# KiCad board SparkFun_IoT_RedBoard-RP2350_panelized.kicad_pcb (continued)
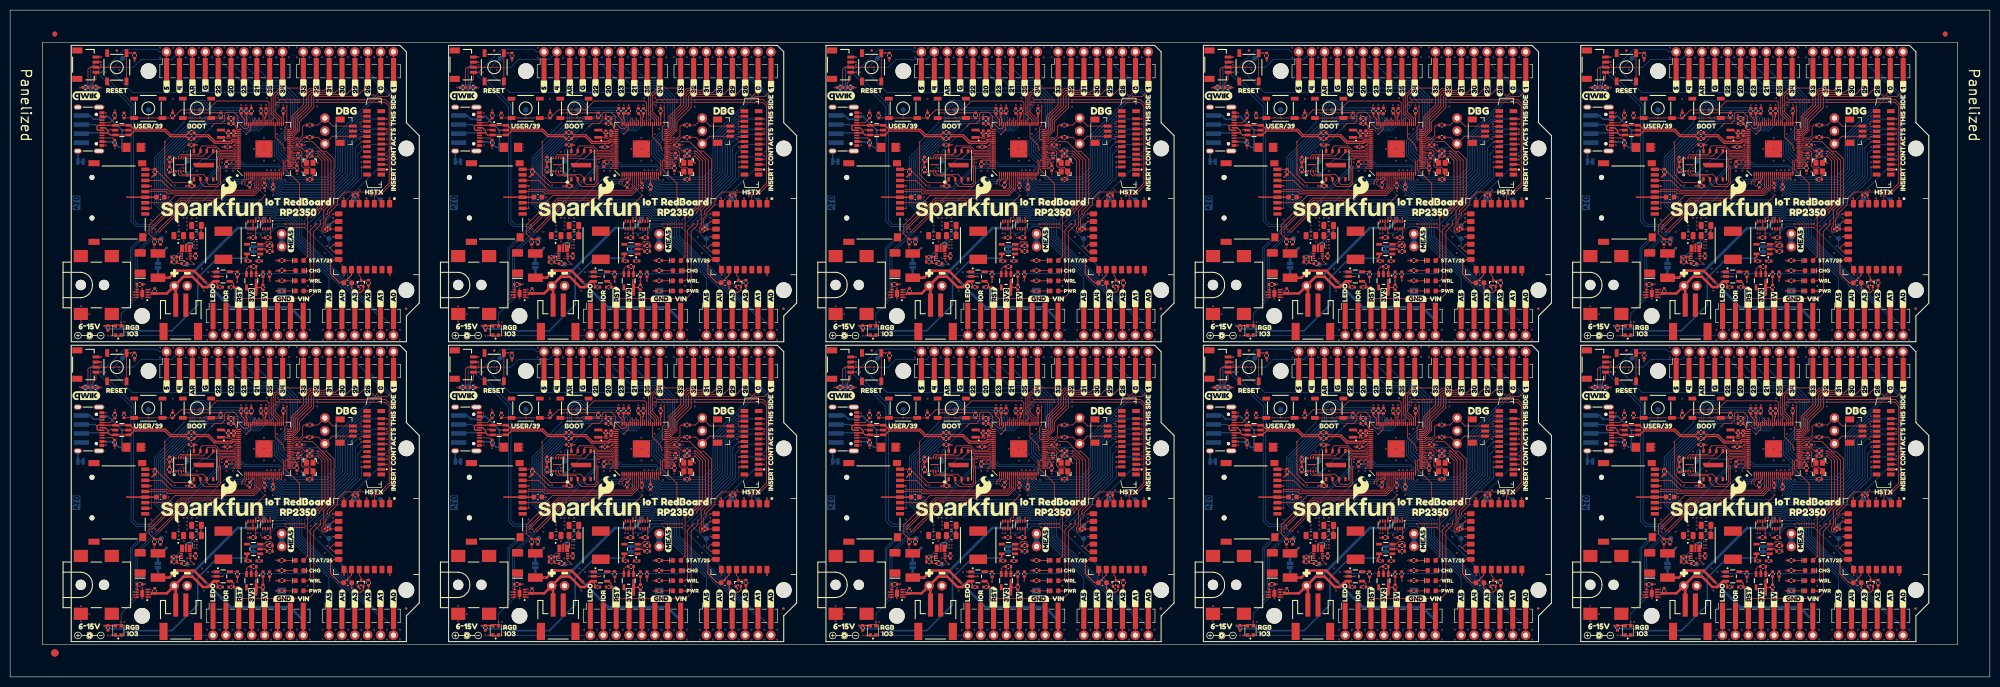
[diagram p0: board, top side]
## Library data of the parts (continued)
U9 = -: Datasheet: http://ww1.microchip.com/downloads/en/DeviceDoc/20001984g.pdf; Description: Single cell, Li-Ion/Li-Po charge management controller, 4.50V, Tri-State Status Output, in SOT23-5 package; PROD_ID: IC-09995; ki_fp_filters: SOT?23*
U9#2-U9#10 = -: Datasheet: http://ww1.microchip.com/downloads/en/DeviceDoc/20001984g.pdf; Description: Single cell, Li-Ion/Li-Po charge management controller, 4.50V, Tri-State Status Output, in SOT23-5 package; PROD_ID: IC-09995
U10 U11 = -: Datasheet: https://www.richtek.com/SaveDownload.aspx?specid=RT9080; Description: 600mA low dropout linear regulator, with enable pin, 3.8V-6V input voltage range, 3.3V fixed positive output, SOT-23-5; PROD_ID: VREG-19034; VMax: 5.5V; IMax: 600mA; Iq: 4µA; ki_fp_filters: SOT?23?5*
U10#2-U10#10 U11#2-U11#10 = -: Datasheet: https://www.richtek.com/SaveDownload.aspx?specid=RT9080; Description: 600mA low dropout linear regulator, with enable pin, 3.8V-6V input voltage range, 3.3V fixed positive output, SOT-23-5; PROD_ID: VREG-19034; VMax: 5.5V; IMax: 600mA; Iq: 4µA
Y1 = -: Datasheet: https://ecsxtal.com/store/pdf/ECX-2236B.pdf; Description: Crystal; PROD_ID: XTAL-15540; ki_fp_filters: Crystal*
Y1#2-Y1#10 = -: Datasheet: https://ecsxtal.com/store/pdf/ECX-2236B.pdf; Description: Crystal; PROD_ID: XTAL-15540

## Footprints (pads in the part's own frame, mm; a bottom-side part is the same pattern mirrored in y, then rotated)
1x02
  round 1.88 hole 1.016: 1(0,0) 2(2.54,0)
1x03
  round 1.88 hole 1.016: 1(0,0) 2(2.54,0) 3(5.08,0)
1x04_Solder_Pads
  rect 3x0.9 smd: 1(0,2.667) 2(0,0.889) 3(0,-0.889) 4(0,-2.667)
1x06_SMD_Combined
  rect 5.2x1 smd: 1(0,6.35) 2(0,3.81) 3(0,1.27) 4(0,-1.27) 5(0,-3.81) 6(0,-6.35)
1x08_SMD_Combined
  rect 5.2x1 smd: 1(0,8.89) 2(0,6.35) 3(0,3.81) 4(0,1.27) 5(0,-1.27) 6(0,-3.81) 7(0,-6.35) 8(0,-8.89)
1x10_SMD_Combined
  rect 5.2x1 smd: 1(0,11.43) 2(0,8.89) 3(0,6.35) 4(0,3.81) 5(0,1.27) 6(0,-1.27) 7(0,-3.81) 8(0,-6.35) 9(0,-8.89) 10(0,-11.43)
0806_Polarized
  rect 0.55x1.6 smd: 1(-0.725,0) 2(0.725,0)
1206
  rect 1.6x1.8 smd: 1(-1.4,0) 2(1.4,0)
1812
  rect 1.676x2.896 smd: 1(-2.388,0) 2(2.388,0)
C_0402_1005Metric
  rrect 0.56x0.62 smd: 1(-0.48,0) 2(0.48,0)
C_0603_1608Metric
  rrect 0.9x0.95 smd: 1(-0.775,0) 2(0.775,0)
C_0805_2012Metric
  rrect 1x1.45 smd: 1(-0.95,0) 2(0.95,0)
Crystal_SMD_2.5x2.0mm
  rect 1.2x1 smd: 1(-0.85,-0.65) 2(0.85,-0.65) 3(0.85,0.65) 4(-0.85,0.65)
DFN-8
  rect 0.7x0.3 smd: 1(-0.99,0.75) 2(-0.99,0.25) 3(-0.99,-0.25) 4(-0.99,-0.75) 5(0.99,-0.75) 6(0.99,-0.25) 7(0.99,0.25) 8(0.99,0.75)
  rect 0.8x1.38 smd: 9(0,0)
Fiducial_0.5mm_Mask1mm
  round 0.5 smd: (0,0)
Fiducial_1.5mm_Mask3mm
  round 1.5 smd: (0,0)
Fiducial_1mm_Mask3mm
  round 1 smd: (0,0)
FPC_0.5mm-22_Vertical
  rect 0.6x1.5 smd: 1(-5.25,-1.4) 2(-4.75,1.4) 3(-4.25,-1.4) 4(-3.75,1.4) 5(-3.25,-1.4) 6(-2.75,1.4) 7(-2.25,-1.4) 8(-1.75,1.4) 9(-1.25,-1.4) 10(-0.75,1.4) 11(-0.25,-1.4) 12(0.25,1.4) 13(0.75,-1.4) 14(1.25,1.4) 15(1.75,-1.4) 16(2.25,1.4) 17(2.75,-1.4) 18(3.25,1.4) 19(3.75,-1.4) 20(4.25,1.4) 21(4.75,-1.4) 22(5.25,1.4)
  rect 0.8x1.5 smd: NC(-6.25,1.4) NC(-6.25,-1.4) NC(6.25,1.4) NC(6.25,-1.4)
Inductor_7.3x6.6mm
  rect 1.85x3.5 smd: 1(-2.775,0) 2(2.775,0)
JST_SMD_1.0mm-3_Vertical
  rect 0.6x1.55 smd: 1(-1,-3.425) 2(0,-3.425) 3(1,-3.425)
  rect 1.2x1.8 smd: NC1(-2.3,-0.9) NC2(2.3,-0.9)
JST_SMD_1.0mm-4_RA
  rect 0.6x1.35 smd: 1(-1.5,0) 2(-0.5,0) 3(0.5,0) 4(1.5,0)
  rect 1.2x2 smd: NC1(2.8,-3.675) NC2(-2.8,-3.675)
JST_SMD_2.0mm-2
  rect 1x4.6 smd: 1(-1,-3.7) 2(1,-3.7)
  rect 1.6x3.4 smd: NC1(-3.4,1.5) NC2(3.4,1.5)
Jumper_2_NC_Trace
  rect 0.66x1.27 smd: 1(-0.521,0) 2(0.521,0)
Jumper_2_NO
  rect 0.635x1.27 smd: 1(-0.406,0) 2(0.406,0)
Jumper_2_PTH_SMD_Combo-NC
  round 1.88 hole 1.016: 1(-1.27,0) 2(1.27,0)
  rect 0.635x1.27 smd: 1(-0.508,0) 2(0.508,0)
Jumper_3_NC-2_Trace
  rect 0.66x1.27 smd: 1(-1.041,0) 2(0,0) 3(1.041,0)
LED_0603_1608Metric_Blue
  rrect 0.875x0.95 smd: 1(-0.787,0) 2(0.787,0)
LED_0603_1608Metric_Red
  rrect 0.875x0.95 smd: 1(-0.787,0) 2(0.787,0)
LED_0603_1608Metric_Yellow
  rrect 0.875x0.95 smd: 1(-0.787,0) 2(0.787,0)
microSD_External_Pin
  round 1 hole 1 unplated: (-4.95,0) (3.05,0)
  rect 0.7x1.6 smd: 1(2.25,10.5) 2(1.15,10.5) 3(0.05,10.5) 4(-1.05,10.5) 5(-2.15,10.5) 6(-3.25,10.5) 7(-4.35,10.5) 8(-5.45,10.5) 9(-6.55,10.5)
  rect 1.2x1.6 smd: 10(-7.75,9.9)
  rect 1.2x2.2 smd: 11(-7.75,0.4) 12(7.75,0.4)
  rect 1.6x1.4 smd: 13(6.85,10)
Power_Jack_SMD
  round 2.032 hole 2.032 unplated: (0,0) (4.572,0)
  rect 2.8x2.4 smd: GND(0,-5.7) GNDBREAK(6.1,-5.7) PWR(0,5.7) PWR(6.1,5.7)
PowerVFDFN-13
  rect 0.8x1.5 smd: 1(-0.75,0.675) 8(0.75,0.675)
  rect 0.6x0.3 smd: 2(-0.85,-0.375) 3(-0.85,-0.825) 4(-0.85,-1.275) 5(0.85,-1.275) 6(0.85,-0.825) 7(0.85,-0.375)
  rect 0.4x1.73 smd: 9(0,0.79)
Push_SMD_5.2x5.2mm_h2.5mm
  rect 1.524x0.762 smd: 1(-2.794,1.905) 1(2.794,1.905) 2(-2.794,-1.905) 2(2.794,-1.905)
QFN-80-1EP_10x10mm_P0.4mm_EP3.4x3.4mm
  rrect 0.78x0.22 smd: 1(-4.896,3.8) 2(-4.896,3.4) 3(-4.896,3) 4(-4.896,2.6) 5(-4.896,2.2) 6(-4.896,1.8) 7(-4.896,1.4) 8(-4.896,1) 9(-4.896,0.6) 10(-4.896,0.2) 11(-4.896,-0.2) 12(-4.896,-0.6) 13(-4.896,-1) 14(-4.896,-1.4) 15(-4.896,-1.8) 16(-4.896,-2.2) 17(-4.896,-2.6) 18(-4.896,-3) 19(-4.896,-3.4) 20(-4.896,-3.8) 41(4.896,-3.8) 42(4.896,-3.4) 43(4.896,-3) 44(4.896,-2.6) 45(4.896,-2.2) 46(4.896,-1.8) 47(4.896,-1.4) 48(4.896,-1) 49(4.896,-0.6) 50(4.896,-0.2) 51(4.896,0.2) 52(4.896,0.6) 53(4.896,1) 54(4.896,1.4) 55(4.896,1.8) 56(4.896,2.2) 57(4.896,2.6) 58(4.896,3) 59(4.896,3.4) 60(4.896,3.8)
  rrect 0.22x0.78 smd: 21(-3.8,-4.896) 22(-3.4,-4.896) 23(-3,-4.896) 24(-2.6,-4.896) 25(-2.2,-4.896) 26(-1.8,-4.896) 27(-1.4,-4.896) 28(-1,-4.896) 29(-0.6,-4.896) 30(-0.2,-4.896) 31(0.2,-4.896) 32(0.6,-4.896) 33(1,-4.896) 34(1.4,-4.896) 35(1.8,-4.896) 36(2.2,-4.896) 37(2.6,-4.896) 38(3,-4.896) 39(3.4,-4.896) 40(3.8,-4.896) 61(3.8,4.896) 62(3.4,4.896) 63(3,4.896) 64(2.6,4.896) 65(2.2,4.896) 66(1.8,4.896) 67(1.4,4.896) 68(1,4.896) 69(0.6,4.896) 70(0.2,4.896) 71(-0.2,4.896) 72(-0.6,4.896) 73(-1,4.896) 74(-1.4,4.896) 75(-1.8,4.896) 76(-2.2,4.896) 77(-2.6,4.896) 78(-3,4.896) 79(-3.4,4.896) 80(-3.8,4.896)
  rect 3.4x3.4 smd: EP(0,0)
R_0402_1005Metric
  rrect 0.54x0.64 smd: 1(-0.51,0) 2(0.51,0)
RedBoard
  round 1.88 hole 1.016: 3.3V(1.27,-27.94) 5V(3.81,-27.94) A0(29.21,-27.94) A1(26.67,-27.94) A2(24.13,-27.94) A3(21.59,-27.94) A4(19.05,-27.94) A5(16.51,-27.94) AREF(-10.414,27.94) D0(29.21,27.94) D1(26.67,27.94) D2(24.13,27.94) D3(21.59,27.94) D4(19.05,27.94) D5(16.51,27.94) D6(13.97,27.94) D7(11.43,27.94) D8(7.366,27.94) D9(4.826,27.94) D10(2.286,27.94) D11(-0.254,27.94) D12(-2.794,27.94) D13(-5.334,27.94) D18(-12.954,27.94) D19(-15.494,27.94) GND(-7.874,27.94) GND(6.35,-27.94) GND(8.89,-27.94) IOREF(-3.81,-27.94) NC/LEDO(-6.35,-27.94) VIN(11.43,-27.94) ~{RESET}(-1.27,-27.94)
RM2_Tight
  rrect 1.5x1 smd: A1(-6.5,2.55) A2(-6.5,1.05) A3(-6.5,-0.45) A4(-6.5,-1.95) A5(-6.5,-3.45) A6(-6.5,-4.95) A7(-6.5,-6.45) C1(6.5,-6.45) C2(6.5,-4.95) C3(6.5,-3.45) C4(6.5,-1.95) C5(6.5,-0.45) C6(6.5,1.05) C7(6.5,2.55)
  rrect 1x1.5 smd: B1(-4.5,-7.5) B2(-3,-7.5) B3(-1.5,-7.5) B4(0,-7.5) B5(1.5,-7.5) B6(3,-7.5) B7(4.5,-7.5)
SC-89 SOT-490
  rect 0.46x0.65 smd: 1(-0.5,-1.1) 2(0.5,-1.1) 3(0,0.05)
SMA
  rrect 1.5x2.2 smd: A(2,0) C(-2,0)
SOT23-5
  rect 1.2x0.55 smd: 1(-1.3,0.95) 2(-1.3,0) 3(-1.3,-0.95) 4(1.3,-0.95) 5(1.3,0.95)
SOT23-6
  rect 1.2x0.55 smd: 1(-1.3,0.95) 2(-1.3,0) 3(-1.3,-0.95) 4(1.3,-0.95) 5(1.3,0) 6(1.3,0.95)
SOT-583-8
  rrect 0.67x0.3 smd: 1(-0.74,0.75) 2(-0.74,0.25) 3(-0.74,-0.25) 4(-0.74,-0.75) 5(0.74,-0.75) 6(0.74,-0.25) 7(0.74,0.25) 8(0.74,0.75)
Standoff
  round 3.1 hole 3.1 unplated: (0,0)
TestPoint-1.0mm
  rrect 1.016x1.016 smd: 1(0,0)
USB-C_16
  round 0.65 hole 0.65 unplated: (-2.89,-1.445) (2.89,-1.445)
  rect 0.3x1 smd: A5(-1.25,-0.34) A6(-0.25,-0.34) A7(0.25,-0.34) A8(1.25,-0.34) B5(1.75,-0.34) B6(0.75,-0.34) B7(-0.75,-0.34) B8(-1.75,-0.34)
  rect 0.6x1 smd: GND(-3.225,-0.34) GND(3.225,-0.34) VBUS(-2.45,-0.34) VBUS(2.45,-0.34)
  oval 1x1.6 hole 0.6x1.2: NC1(-4.318,-5.095) S(4.318,-5.095)
  oval 1x2.1 hole 0.6x1.7: NC2(-4.318,-0.915) NC3(4.318,-0.915)
USON-8_3x2mm-SkinnyCenterPad
  rect 0.4x0.25 smd: 1(-1.25,0.75) 2(-1.25,0.25) 3(-1.25,-0.25) 4(-1.25,-0.75) 5(1.25,-0.75) 6(1.25,-0.25) 7(1.25,0.25) 8(1.25,0.75)
  rect 0.2x1.6 smd: 9(0,0)
WDFN-8_6x5mm-SkinnyCenterPad
  rect 0.85x0.5 smd: 1(-2.775,1.905) 2(-2.775,0.635) 3(-2.775,-0.635) 4(-2.775,-1.905) 5(2.775,-1.905) 6(2.775,-0.635) 7(2.775,0.635) 8(2.775,1.905)
  rrect 0.91x4.05 smd: EPAD(0,0)
WS2812_2020
  rect 0.7x0.7 smd: 1(0.915,-0.55) 2(0.915,0.55) 3(-0.915,0.55) 4(-0.915,-0.55)

## Nets
1.1V: C1.2 C1#2.2 C1#3.2 C1#4.2 C1#5.2 C1#6.2 C1#7.2 C1#8.2 C1#9.2 C1#10.2 C2.1 C2#2.1 C2#3.1 C2#4.1 C2#5.1 C2#6.1 C2#7.1 C2#8.1 C2#9.1 C2#10.1 C4.1 C4#2.1 C4#3.1 C4#4.1 C4#5.1 C4#6.1 C4#7.1 C4#8.1 C4#9.1 C4#10.1 C10.2 C10#2.2 C10#3.2 C10#4.2 C10#5.2 C10#6.2 C10#7.2 C10#8.2 C10#9.2 C10#10.2 L1.1 L1#2.1 L1#3.1 L1#4.1 L1#5.1 L1#6.1 L1#7.1 L1#8.1 L1#9.1 L1#10.1 U1.10 U1.32 U1.51 U1.65 U1#2.10 U1#2.32 U1#2.51 U1#2.65 U1#3.10 U1#3.32 U1#3.51 U1#3.65 U1#4.10 U1#4.32 U1#4.51 U1#4.65 U1#5.10 U1#5.32 U1#5.51 U1#5.65 U1#6.10 U1#6.32 U1#6.51 U1#6.65 U1#7.10 U1#7.32 U1#7.51 U1#7.65 U1#8.10 U1#8.32 U1#8.51 U1#8.65 U1#9.10 U1#9.32 U1#9.51 U1#9.65 U1#10.10 U1#10.32 U1#10.51 U1#10.65
3.3V: C6.2 C6#2.2 C6#3.2 C6#4.2 C6#5.2 C6#6.2 C6#7.2 C6#8.2 C6#9.2 C6#10.2 C8.1 C8#2.1 C8#3.1 C8#4.1 C8#5.1 C8#6.1 C8#7.1 C8#8.1 C8#9.1 C8#10.1 C11.1 C11#2.1 C11#3.1 C11#4.1 C11#5.1 C11#6.1 C11#7.1 C11#8.1 C11#9.1 C11#10.1 C12.1 C12#2.1 C12#3.1 C12#4.1 C12#5.1 C12#6.1 C12#7.1 C12#8.1 C12#9.1 C12#10.1 C13.1 C13#2.1 C13#3.1 C13#4.1 C13#5.1 C13#6.1 C13#7.1 C13#8.1 C13#9.1 C13#10.1 C14.1 C14#2.1 C14#3.1 C14#4.1 C14#5.1 C14#6.1 C14#7.1 C14#8.1 C14#9.1 C14#10.1 C15.1 C15#2.1 C15#3.1 C15#4.1 C15#5.1 C15#6.1 C15#7.1 C15#8.1 C15#9.1 C15#10.1 C16.1 C16#2.1 C16#3.1 C16#4.1 C16#5.1 C16#6.1 C16#7.1 C16#8.1 C16#9.1 C16#10.1 C17.1 C17#2.1 C17#3.1 C17#4.1 C17#5.1 C17#6.1 C17#7.1 C17#8.1 C17#9.1 C17#10.1 C18.1 C18#2.1 C18#3.1 C18#4.1 C18#5.1 C18#6.1 C18#7.1 C18#8.1 C18#9.1 C18#10.1 C19.1 C19#2.1 C19#3.1 C19#4.1 C19#5.1 C19#6.1 C19#7.1 C19#8.1 C19#9.1 C19#10.1 C20.1 C20#2.1 C20#3.1 C20#4.1 C20#5.1 C20#6.1 C20#7.1 C20#8.1 C20#9.1 C20#10.1 C32.1 C32#2.1 C32#3.1 C32#4.1 C32#5.1 C32#6.1 C32#7.1 C32#8.1 C32#9.1 C32#10.1 D7.2 D7#2.2 D7#3.2 D7#4.2 D7#5.2 D7#6.2 D7#7.2 D7#8.2 D7#9.2 D7#10.2 H1.3.3V H1.AREF H1.IOREF H1#2.3.3V H1#2.AREF H1#2.IOREF H1#3.3.3V H1#3.AREF H1#3.IOREF H1#4.3.3V H1#4.AREF H1#4.IOREF H1#5.3.3V H1#5.AREF H1#5.IOREF H1#6.3.3V H1#6.AREF H1#6.IOREF H1#7.3.3V H1#7.AREF H1#7.IOREF H1#8.3.3V H1#8.AREF H1#8.IOREF H1#9.3.3V H1#9.AREF H1#9.IOREF H1#10.3.3V H1#10.AREF H1#10.IOREF J1.2 J1.4 J1#2.2 J1#2.4 J1#3.2 J1#3.4 J1#4.2 J1#4.4 J1#5.2 J1#5.4 J1#6.2 J1#6.4 J1#7.2 J1#7.4 J1#8.2 J1#8.4 J1#9.2 J1#9.4 J1#10.2 J1#10.4 J8.3 J8#2.3 J8#3.3 J8#4.3 J8#5.3 J8#6.3 J8#7.3 J8#8.3 J8#9.3 J8#10.3 J11.1 J11#2.1 J11#3.1 J11#4.1 J11#5.1 J11#6.1 J11#7.1 J11#8.1 J11#9.1 J11#10.1 JP5.1 JP5#2.1 JP5#3.1 JP5#4.1 JP5#5.1 JP5#6.1 JP5#7.1 JP5#8.1 JP5#9.1 JP5#10.1 L2.1 L2#2.1 L2#3.1 L2#4.1 L2#5.1 L2#6.1 L2#7.1 L2#8.1 L2#9.1 L2#10.1 Q1.2 Q1#2.2 Q1#3.2 Q1#4.2 Q1#5.2 Q1#6.2 Q1#7.2 Q1#8.2 Q1#9.2 Q1#10.2 R7.2 R7#2.2 R7#3.2 R7#4.2 R7#5.2 R7#6.2 R7#7.2 R7#8.2 R7#9.2 R7#10.2 R8.2 R8#2.2 R8#3.2 R8#4.2 R8#5.2 R8#6.2 R8#7.2 R8#8.2 R8#9.2 R8#10.2 R16.2 R16#2.2 R16#3.2 R16#4.2 R16#5.2 R16#6.2 R16#7.2 R16#8.2 R16#9.2 R16#10.2 R17.2 R17#2.2 R17#3.2 R17#4.2 R17#5.2 R17#6.2 R17#7.2 R17#8.2 R17#9.2 R17#10.2 R18.2 R18#2.2 R18#3.2 R18#4.2 R18#5.2 R18#6.2 R18#7.2 R18#8.2 R18#9.2 R18#10.2 R21.2 R21#2.2 R21#3.2 R21#4.2 R21#5.2 R21#6.2 R21#7.2 R21#8.2 R21#9.2 R21#10.2 R22.2 R22#2.2 R22#3.2 R22#4.2 R22#5.2 R22#6.2 R22#7.2 R22#8.2 R22#9.2 R22#10.2 R34.2 R34#2.2 R34#3.2 R34#4.2 R34#5.2 R34#6.2 R34#7.2 R34#8.2 R34#9.2 R34#10.2 R35.2 R35#2.2 R35#3.2 R35#4.2 R35#5.2 R35#6.2 R35#7.2 R35#8.2 R35#9.2 R35#10.2 U1.5 U1.15 U1.24 U1.29 U1.41 U1.50 U1.60 U1.64 U1.68 U1.69 U1.76 U1#2.5 U1#2.15 U1#2.24 U1#2.29 U1#2.41 U1#2.50 U1#2.60 U1#2.64 U1#2.68 U1#2.69 U1#2.76 U1#3.5 U1#3.15 U1#3.24 U1#3.29 U1#3.41 U1#3.50 U1#3.60 U1#3.64 U1#3.68 U1#3.69 U1#3.76 U1#4.5 U1#4.15 U1#4.24 U1#4.29 U1#4.41 U1#4.50 U1#4.60 U1#4.64 U1#4.68 U1#4.69 U1#4.76 U1#5.5 U1#5.15 U1#5.24 U1#5.29 U1#5.41 U1#5.50 U1#5.60 U1#5.64 U1#5.68 U1#5.69 U1#5.76 U1#6.5 U1#6.15 U1#6.24 U1#6.29 U1#6.41 U1#6.50 U1#6.60 U1#6.64 U1#6.68 U1#6.69 U1#6.76 U1#7.5 U1#7.15 U1#7.24 U1#7.29 U1#7.41 U1#7.50 U1#7.60 U1#7.64 U1#7.68 U1#7.69 U1#7.76 U1#8.5 U1#8.15 U1#8.24 U1#8.29 U1#8.41 U1#8.50 U1#8.60 U1#8.64 U1#8.68 U1#8.69 U1#8.76 U1#9.5 U1#9.15 U1#9.24 U1#9.29 U1#9.41 U1#9.50 U1#9.60 U1#9.64 U1#9.68 U1#9.69 U1#9.76 U1#10.5 U1#10.15 U1#10.24 U1#10.29 U1#10.41 U1#10.50 U1#10.60 U1#10.64 U1#10.68 U1#10.69 U1#10.76 U3.8 U3#2.8 U3#3.8 U3#4.8 U3#5.8 U3#6.8 U3#7.8 U3#8.8 U3#9.8 U3#10.8 U4.8 U4#2.8 U4#3.8 U4#4.8 U4#5.8 U4#6.8 U4#7.8 U4#8.8 U4#9.8 U4#10.8 U11.5 U11#2.5 U11#3.5 U11#4.5 U11#5.5 U11#6.5 U11#7.5 U11#8.5 U11#9.5 U11#10.5
3.3V_P: C31.1 C31#2.1 C31#3.1 C31#4.1 C31#5.1 C31#6.1 C31#7.1 C31#8.1 C31#9.1 C31#10.1 C34.1 C34#2.1 C34#3.1 C34#4.1 C34#5.1 C34#6.1 C34#7.1 C34#8.1 C34#9.1 C34#10.1 C35.1 C35#2.1 C35#3.1 C35#4.1 C35#5.1 C35#6.1 C35#7.1 C35#8.1 C35#9.1 C35#10.1 D4.4 D4#2.4 D4#3.4 D4#4.4 D4#5.4 D4#6.4 D4#7.4 D4#8.4 D4#9.4 D4#10.4 J13.2 J13#2.2 J13#3.2 J13#4.2 J13#5.2 J13#6.2 J13#7.2 J13#8.2 J13#9.2 J13#10.2 J14.4 J14#2.4 J14#3.4 J14#4.4 J14#5.4 J14#6.4 J14#7.4 J14#8.4 J14#9.4 J14#10.4 JP3.2 JP3#2.2 JP3#3.2 JP3#4.2 JP3#5.2 JP3#6.2 JP3#7.2 JP3#8.2 JP3#9.2 JP3#10.2 R33.2 R33#2.2 R33#3.2 R33#4.2 R33#5.2 R33#6.2 R33#7.2 R33#8.2 R33#9.2 R33#10.2 U10.5 U10#2.5 U10#3.5 U10#4.5 U10#5.5 U10#6.5 U10#7.5 U10#8.5 U10#9.5 U10#10.5
5V: C28.1 C28#2.1 C28#3.1 C28#4.1 C28#5.1 C28#6.1 C28#7.1 C28#8.1 C28#9.1 C28#10.1 H1.5V H1#2.5V H1#3.5V H1#4.5V H1#5.5V H1#6.5V H1#7.5V H1#8.5V H1#9.5V H1#10.5V J1.5 J1#2.5 J1#3.5 J1#4.5 J1#5.5 J1#6.5 J1#7.5 J1#8.5 J1#9.5 J1#10.5 R23.2 R23#2.2 R23#3.2 R23#4.2 R23#5.2 R23#6.2 R23#7.2 R23#8.2 R23#9.2 R23#10.2 U6.2 U6.7 U6#2.2 U6#2.7 U6#3.2 U6#3.7 U6#4.2 U6#4.7 U6#5.2 U6#5.7 U6#6.2 U6#6.7 U6#7.2 U6#7.7 U6#8.2 U6#8.7 U6#9.2 U6#9.7 U6#10.2 U6#10.7 U7.6 U7#2.6 U7#3.6 U7#4.6 U7#5.6 U7#6.6 U7#7.6 U7#8.6 U7#9.6 U7#10.6 U9.4 U9#2.4 U9#3.4 U9#4.4 U9#5.4 U9#6.4 U9#7.4 U9#8.4 U9#9.4 U9#10.4
/Core/5V_SRC: R18.1 R18#2.1 R18#3.1 R18#4.1 R18#5.1 R18#6.1 R18#7.1 R18#8.1 R18#9.1 R18#10.1 U1.27 U1#2.27 U1#3.27 U1#4.27 U1#5.27 U1#6.27 U1#7.27 U1#8.27 U1#9.27 U1#10.27 U6.8 U6#2.8 U6#3.8 U6#4.8 U6#5.8 U6#6.8 U6#7.8 U6#8.8 U6#9.8 U6#10.8
/Core/VIN_MEAS: R28.1 R28#2.1 R28#3.1 R28#4.1 R28#5.1 R28#6.1 R28#7.1 R28#8.1 R28#9.1 R28#10.1 R29.2 R29#2.2 R29#3.2 R29#4.2 R29#5.2 R29#6.2 R29#7.2 R29#8.2 R29#9.2 R29#10.2 TP1.1 TP1#2.1 TP1#3.1 TP1#4.1 TP1#5.1 TP1#6.1 TP1#7.1 TP1#8.1 TP1#9.1 TP1#10.1 U1.57 U1#2.57 U1#3.57 U1#4.57 U1#5.57 U1#6.57 U1#7.57 U1#8.57 U1#9.57 U1#10.57
GND: C1.1 C1#2.1 C1#3.1 C1#4.1 C1#5.1 C1#6.1 C1#7.1 C1#8.1 C1#9.1 C1#10.1 C2.2 C2#2.2 C2#3.2 C2#4.2 C2#5.2 C2#6.2 C2#7.2 C2#8.2 C2#9.2 C2#10.2 C3.1 C3#2.1 C3#3.1 C3#4.1 C3#5.1 C3#6.1 C3#7.1 C3#8.1 C3#9.1 C3#10.1 C4.2 C4#2.2 C4#3.2 C4#4.2 C4#5.2 C4#6.2 C4#7.2 C4#8.2 C4#9.2 C4#10.2 C5.1 C5#2.1 C5#3.1 C5#4.1 C5#5.1 C5#6.1 C5#7.1 C5#8.1 C5#9.1 C5#10.1 C6.1 C6#2.1 C6#3.1 C6#4.1 C6#5.1 C6#6.1 C6#7.1 C6#8.1 C6#9.1 C6#10.1 C7.2 C7#2.2 C7#3.2 C7#4.2 C7#5.2 C7#6.2 C7#7.2 C7#8.2 C7#9.2 C7#10.2 C8.2 C8#2.2 C8#3.2 C8#4.2 C8#5.2 C8#6.2 C8#7.2 C8#8.2 C8#9.2 C8#10.2 C9.2 C9#2.2 C9#3.2 C9#4.2 C9#5.2 C9#6.2 C9#7.2 C9#8.2 C9#9.2 C9#10.2 C10.1 C10#2.1 C10#3.1 C10#4.1 C10#5.1 C10#6.1 C10#7.1 C10#8.1 C10#9.1 C10#10.1 C11.2 C11#2.2 C11#3.2 C11#4.2 C11#5.2 C11#6.2 C11#7.2 C11#8.2 C11#9.2 C11#10.2 C12.2 C12#2.2 C12#3.2 C12#4.2 C12#5.2 C12#6.2 C12#7.2 C12#8.2 C12#9.2 C12#10.2 C13.2 C13#2.2 C13#3.2 C13#4.2 C13#5.2 C13#6.2 C13#7.2 C13#8.2 C13#9.2 C13#10.2 C14.2 C14#2.2 C14#3.2 C14#4.2 C14#5.2 C14#6.2 C14#7.2 C14#8.2 C14#9.2 C14#10.2 C15.2 C15#2.2 C15#3.2 C15#4.2 C15#5.2 C15#6.2 C15#7.2 C15#8.2 C15#9.2 C15#10.2 C16.2 C16#2.2 C16#3.2 C16#4.2 C16#5.2 C16#6.2 C16#7.2 C16#8.2 C16#9.2 C16#10.2 C17.2 C17#2.2 C17#3.2 C17#4.2 C17#5.2 C17#6.2 C17#7.2 C17#8.2 C17#9.2 C17#10.2 C18.2 C18#2.2 C18#3.2 C18#4.2 C18#5.2 C18#6.2 C18#7.2 C18#8.2 C18#9.2 C18#10.2 C19.2 C19#2.2 C19#3.2 C19#4.2 C19#5.2 C19#6.2 C19#7.2 C19#8.2 C19#9.2 C19#10.2 C20.2 C20#2.2 C20#3.2 C20#4.2 C20#5.2 C20#6.2 C20#7.2 C20#8.2 C20#9.2 C20#10.2 C21.2 C21#2.2 C21#3.2 C21#4.2 C21#5.2 C21#6.2 C21#7.2 C21#8.2 C21#9.2 C21#10.2 C24.2 C24#2.2 C24#3.2 C24#4.2 C24#5.2 C24#6.2 C24#7.2 C24#8.2 C24#9.2 C24#10.2 C25.2 C25#2.2 C25#3.2 C25#4.2 C25#5.2 C25#6.2 C25#7.2 C25#8.2 C25#9.2 C25#10.2 C26.2 C26#2.2 C26#3.2 C26#4.2 C26#5.2 C26#6.2 C26#7.2 C26#8.2 C26#9.2 C26#10.2 C27.2 C27#2.2 C27#3.2 C27#4.2 C27#5.2 C27#6.2 C27#7.2 C27#8.2 C27#9.2 C27#10.2 C28.2 C28#2.2 C28#3.2 C28#4.2 C28#5.2 C28#6.2 C28#7.2 C28#8.2 C28#9.2 C28#10.2 C29.2 C29#2.2 C29#3.2 C29#4.2 C29#5.2 C29#6.2 C29#7.2 C29#8.2 C29#9.2 C29#10.2 C30.2 C30#2.2 C30#3.2 C30#4.2 C30#5.2 C30#6.2 C30#7.2 C30#8.2 C30#9.2 C30#10.2 C31.2 C31#2.2 C31#3.2 C31#4.2 C31#5.2 C31#6.2 C31#7.2 C31#8.2 C31#9.2 C31#10.2 C32.2 C32#2.2 C32#3.2 C32#4.2 C32#5.2 C32#6.2 C32#7.2 C32#8.2 C32#9.2 C32#10.2 C33.2 C33#2.2 C33#3.2 C33#4.2 C33#5.2 C33#6.2 C33#7.2 C33#8.2 C33#9.2 C33#10.2 C34.2 C34#2.2 C34#3.2 C34#4.2 C34#5.2 C34#6.2 C34#7.2 C34#8.2 C34#9.2 C34#10.2 C35.2 C35#2.2 C35#3.2 C35#4.2 C35#5.2 C35#6.2 C35#7.2 C35#8.2 C35#9.2 C35#10.2 C36.2 C36#2.2 C36#3.2 C36#4.2 C36#5.2 C36#6.2 C36#7.2 C36#8.2 C36#9.2 C36#10.2 D2.2 D2#2.2 D2#3.2 D2#4.2 D2#5.2 D2#6.2 D2#7.2 D2#8.2 D2#9.2 D2#10.2 D4.2 D4#2.2 D4#3.2 D4#4.2 D4#5.2 D4#6.2 D4#7.2 D4#8.2 D4#9.2 D4#10.2 H1.GND H1#2.GND H1#3.GND H1#4.GND H1#5.GND H1#6.GND H1#7.GND H1#8.GND H1#9.GND H1#10.GND J1.6 J1.7 J1#2.6 J1#2.7 J1#3.6 J1#3.7 J1#4.6 J1#4.7 J1#5.6 J1#5.7 J1#6.6 J1#6.7 J1#7.6 J1#7.7 J1#8.6 J1#8.7 J1#9.6 J1#9.7 J1#10.6 J1#10.7 J3.GND J3#2.GND J3#3.GND J3#4.GND J3#5.GND J3#6.GND J3#7.GND J3#8.GND J3#9.GND J3#10.GND J4.GND J4#2.GND J4#3.GND J4#4.GND J4#5.GND J4#6.GND J4#7.GND J4#8.GND J4#9.GND J4#10.GND J5.4 J5#2.4 J5#3.4 J5#4.4 J5#5.4 J5#6.4 J5#7.4 J5#8.4 J5#9.4 J5#10.4 J6.2 J6#2.2 J6#3.2 J6#4.2 J6#5.2 J6#6.2 J6#7.2 J6#8.2 J6#9.2 J6#10.2 J7.1 J7#2.1 J7#3.1 J7#4.1 J7#5.1 J7#6.1 J7#7.1 J7#8.1 J7#9.1 J7#10.1 J8.4 J8#2.4 J8#3.4 J8#4.4 J8#5.4 J8#6.4 J8#7.4 J8#8.4 J8#9.4 J8#10.4 J10.2 J10#2.2 J10#3.2 J10#4.2 J10#5.2 J10#6.2 J10#7.2 J10#8.2 J10#9.2 J10#10.2 J11.4 J11.7 J11.10 J11.13 J11.16 J11.19 J11.22 J11#2.4 J11#2.7 J11#2.10 J11#2.13 J11#2.16 J11#2.19 J11#2.22 J11#3.4 J11#3.7 J11#3.10 J11#3.13 J11#3.16 J11#3.19 J11#3.22 J11#4.4 J11#4.7 J11#4.10 J11#4.13 J11#4.16 J11#4.19 J11#4.22 J11#5.4 J11#5.7 J11#5.10 J11#5.13 J11#5.16 J11#5.19 J11#5.22 J11#6.4 J11#6.7 J11#6.10 J11#6.13 J11#6.16 J11#6.19 J11#6.22 J11#7.4 J11#7.7 J11#7.10 J11#7.13 J11#7.16 J11#7.19 J11#7.22 J11#8.4 J11#8.7 J11#8.10 J11#8.13 J11#8.16 J11#8.19 J11#8.22 J11#9.4 J11#9.7 J11#9.10 J11#9.13 J11#9.16 J11#9.19 J11#9.22 J11#10.4 J11#10.7 J11#10.10 J11#10.13 J11#10.16 J11#10.19 J11#10.22 J12.2 J12#2.2 J12#3.2 J12#4.2 J12#5.2 J12#6.2 J12#7.2 J12#8.2 J12#9.2 J12#10.2 J13.1 J13#2.1 J13#3.1 J13#4.1 J13#5.1 J13#6.1 J13#7.1 J13#8.1 J13#9.1 J13#10.1 J14.6 J14.10 J14#2.6 J14#2.10 J14#3.6 J14#3.10 J14#4.6 J14#4.10 J14#5.6 J14#5.10 J14#6.6 J14#6.10 J14#7.6 J14#7.10 J14#8.6 J14#8.10 J14#9.6 J14#9.10 J14#10.6 J14#10.10 JP1.2 JP1#2.2 JP1#3.2 JP1#4.2 JP1#5.2 JP1#6.2 JP1#7.2 JP1#8.2 JP1#9.2 JP1#10.2 JP6.1 JP6#2.1 JP6#3.1 JP6#4.1 JP6#5.1 JP6#6.1 JP6#7.1 JP6#8.1 JP6#9.1 JP6#10.1 R1.1 R1#2.1 R1#3.1 R1#4.1 R1#5.1 R1#6.1 R1#7.1 R1#8.1 R1#9.1 R1#10.1 R2.1 R2#2.1 R2#3.1 R2#4.1 R2#5.1 R2#6.1 R2#7.1 R2#8.1 R2#9.1 R2#10.1 R15.1 R15#2.1 R15#3.1 R15#4.1 R15#5.1 R15#6.1 R15#7.1 R15#8.1 R15#9.1 R15#10.1 R20.1 R20#2.1 R20#3.1 R20#4.1 R20#5.1 R20#6.1 R20#7.1 R20#8.1 R20#9.1 R20#10.1 R25.1 R25#2.1 R25#3.1 R25#4.1 R25#5.1 R25#6.1 R25#7.1 R25#8.1 R25#9.1 R25#10.1 R27.1 R27#2.1 R27#3.1 R27#4.1 R27#5.1 R27#6.1 R27#7.1 R27#8.1 R27#9.1 R27#10.1 R29.1 R29#2.1 R29#3.1 R29#4.1 R29#5.1 R29#6.1 R29#7.1 R29#8.1 R29#9.1 R29#10.1 R30.1 R30#2.1 R30#3.1 R30#4.1 R30#5.1 R30#6.1 R30#7.1 R30#8.1 R30#9.1 R30#10.1 R31.1 R31#2.1 R31#3.1 R31#4.1 R31#5.1 R31#6.1 R31#7.1 R31#8.1 R31#9.1 R31#10.1 SW1.1 SW1#2.1 SW1#3.1 SW1#4.1 SW1#5.1 SW1#6.1 SW1#7.1 SW1#8.1 SW1#9.1 SW1#10.1 SW2.1 SW2#2.1 SW2#3.1 SW2#4.1 SW2#5.1 SW2#6.1 SW2#7.1 SW2#8.1 SW2#9.1 SW2#10.1 SW3.1 SW3#2.1 SW3#3.1 SW3#4.1 SW3#5.1 SW3#6.1 SW3#7.1 SW3#8.1 SW3#9.1 SW3#10.1 U1.62 U1.EP U1#2.62 U1#2.EP U1#3.62 U1#3.EP U1#4.62 U1#4.EP U1#5.62 U1#5.EP U1#6.62 U1#6.EP U1#7.62 U1#7.EP U1#8.62 U1#8.EP U1#9.62 U1#9.EP U1#10.62 U1#10.EP U2.A1 U2.A4 U2.A7 U2.B4 U2.C1 U2.C7 U2#2.A1 U2#2.A4 U2#2.A7 U2#2.B4 U2#2.C1 U2#2.C7 U2#3.A1 U2#3.A4 U2#3.A7 U2#3.B4 U2#3.C1 U2#3.C7 U2#4.A1 U2#4.A4 U2#4.A7 U2#4.B4 U2#4.C1 U2#4.C7 U2#5.A1 U2#5.A4 U2#5.A7 U2#5.B4 U2#5.C1 U2#5.C7 U2#6.A1 U2#6.A4 U2#6.A7 U2#6.B4 U2#6.C1 U2#6.C7 U2#7.A1 U2#7.A4 U2#7.A7 U2#7.B4 U2#7.C1 U2#7.C7 U2#8.A1 U2#8.A4 U2#8.A7 U2#8.B4 U2#8.C1 U2#8.C7 U2#9.A1 U2#9.A4 U2#9.A7 U2#9.B4 U2#9.C1 U2#9.C7 U2#10.A1 U2#10.A4 U2#10.A7 U2#10.B4 U2#10.C1 U2#10.C7 U3.4 U3.EPAD U3#2.4 U3#2.EPAD U3#3.4 U3#3.EPAD U3#4.4 U3#4.EPAD U3#5.4 U3#5.EPAD U3#6.4 U3#6.EPAD U3#7.4 U3#7.EPAD U3#8.4 U3#8.EPAD U3#9.4 U3#9.EPAD U3#10.4 U3#10.EPAD U4.4 U4.9 U4#2.4 U4#2.9 U4#3.4 U4#3.9 U4#4.4 U4#4.9 U4#5.4 U4#5.9 U4#6.4 U4#6.9 U4#7.4 U4#7.9 U4#8.4 U4#8.9 U4#9.4 U4#9.9 U4#10.4 U4#10.9 U5.4 U5.8 U5#2.4 U5#2.8 U5#3.4 U5#3.8 U5#4.4 U5#4.8 U5#5.4 U5#5.8 U5#6.4 U5#6.8 U5#7.4 U5#7.8 U5#8.4 U5#8.8 U5#9.4 U5#9.8 U5#10.4 U5#10.8 U6.1 U6.4 U6.5 U6#2.1 U6#2.4 U6#2.5 U6#3.1 U6#3.4 U6#3.5 U6#4.1 U6#4.4 U6#4.5 U6#5.1 U6#5.4 U6#5.5 U6#6.1 U6#6.4 U6#6.5 U6#7.1 U6#7.4 U6#7.5 U6#8.1 U6#8.4 U6#8.5 U6#9.1 U6#9.4 U6#9.5 U6#10.1 U6#10.4 U6#10.5 U7.1 U7.4 U7.5 U7#2.1 U7#2.4 U7#2.5 U7#3.1 U7#3.4 U7#3.5 U7#4.1 U7#4.4 U7#4.5 U7#5.1 U7#5.4 U7#5.5 U7#6.1 U7#6.4 U7#6.5 U7#7.1 U7#7.4 U7#7.5 U7#8.1 U7#8.4 U7#8.5 U7#9.1 U7#9.4 U7#9.5 U7#10.1 U7#10.4 U7#10.5 U8.1 U8.4 U8.6 U8.9 U8#2.1 U8#2.4 U8#2.6 U8#2.9 U8#3.1 U8#3.4 U8#3.6 U8#3.9 U8#4.1 U8#4.4 U8#4.6 U8#4.9 U8#5.1 U8#5.4 U8#5.6 U8#5.9 U8#6.1 U8#6.4 U8#6.6 U8#6.9 U8#7.1 U8#7.4 U8#7.6 U8#7.9 U8#8.1 U8#8.4 U8#8.6 U8#8.9 U8#9.1 U8#9.4 U8#9.6 U8#9.9 U8#10.1 U8#10.4 U8#10.6 U8#10.9 U9.2 U9#2.2 U9#3.2 U9#4.2 U9#5.2 U9#6.2 U9#7.2 U9#8.2 U9#9.2 U9#10.2 U10.2 U10#2.2 U10#3.2 U10#4.2 U10#5.2 U10#6.2 U10#7.2 U10#8.2 U10#9.2 U10#10.2 U11.2 U11#2.2 U11#3.2 U11#4.2 U11#5.2 U11#6.2 U11#7.2 U11#8.2 U11#9.2 U11#10.2 Y1.2 Y1.4 Y1#2.2 Y1#2.4 Y1#3.2 Y1#3.4 Y1#4.2 Y1#4.4 Y1#5.2 Y1#5.4 Y1#6.2 Y1#6.4 Y1#7.2 Y1#7.4 Y1#8.2 Y1#8.4 Y1#9.2 Y1#9.4 Y1#10.2 Y1#10.4
VBATT: C26.1 C26#2.1 C26#3.1 C26#4.1 C26#5.1 C26#6.1 C26#7.1 C26#8.1 C26#9.1 C26#10.1 C33.1 C33#2.1 C33#3.1 C33#4.1 C33#5.1 C33#6.1 C33#7.1 C33#8.1 C33#9.1 C33#10.1 J6.1 J6#2.1 J6#3.1 J6#4.1 J6#5.1 J6#6.1 J6#7.1 J6#8.1 J6#9.1 J6#10.1 J7.2 J7#2.2 J7#3.2 J7#4.2 J7#5.2 J7#6.2 J7#7.2 J7#8.2 J7#9.2 J7#10.2 U7.3 U7#2.3 U7#3.3 U7#4.3 U7#5.3 U7#6.3 U7#7.3 U7#8.3 U7#9.3 U7#10.3 U8.2 U8.3 U8#2.2 U8#2.3 U8#3.2 U8#3.3 U8#4.2 U8#4.3 U8#5.2 U8#5.3 U8#6.2 U8#6.3 U8#7.2 U8#7.3 U8#8.2 U8#8.3 U8#9.2 U8#9.3 U8#10.2 U8#10.3 U9.3 U9#2.3 U9#3.3 U9#4.3 U9#5.3 U9#6.3 U9#7.3 U9#8.3 U9#9.3 U9#10.3
VBUS: C27.1 C27#2.1 C27#3.1 C27#4.1 C27#5.1 C27#6.1 C27#7.1 C27#8.1 C27#9.1 C27#10.1 C29.1 C29#2.1 C29#3.1 C29#4.1 C29#5.1 C29#6.1 C29#7.1 C29#8.1 C29#9.1 C29#10.1 C30.1 C30#2.1 C30#3.1 C30#4.1 C30#5.1 C30#6.1 C30#7.1 C30#8.1 C30#9.1 C30#10.1 JP4.2 JP4#2.2 JP4#3.2 JP4#4.2 JP4#5.2 JP4#6.2 JP4#7.2 JP4#8.2 JP4#9.2 JP4#10.2 R26.1 R26#2.1 R26#3.1 R26#4.1 R26#5.1 R26#6.1 R26#7.1 R26#8.1 R26#9.1 R26#10.1 U10.1 U10#2.1 U10#3.1 U10#4.1 U10#5.1 U10#6.1 U10#7.1 U10#8.1 U10#9.1 U10#10.1 U11.1 U11#2.1 U11#3.1 U11#4.1 U11#5.1 U11#6.1 U11#7.1 U11#8.1 U11#9.1 U11#10.1
VDD: C23.1 C23#2.1 C23#3.1 C23#4.1 C23#5.1 C23#6.1 C23#7.1 C23#8.1 C23#9.1 C23#10.1 C24.1 C24#2.1 C24#3.1 C24#4.1 C24#5.1 C24#6.1 C24#7.1 C24#8.1 C24#9.1 C24#10.1 C25.1 C25#2.1 C25#3.1 C25#4.1 C25#5.1 C25#6.1 C25#7.1 C25#8.1 C25#9.1 C25#10.1 L3.2 L3#2.2 L3#3.2 L3#4.2 L3#5.2 L3#6.2 L3#7.2 L3#8.2 L3#9.2 L3#10.2 R19.2 R19#2.2 R19#3.2 R19#4.2 R19#5.2 R19#6.2 R19#7.2 R19#8.2 R19#9.2 R19#10.2 U6.3 U6#2.3 U6#3.3 U6#4.3 U6#5.3 U6#6.3 U6#7.3 U6#8.3 U6#9.3 U6#10.3
VIN: D1.C D1#2.C D1#3.C D1#4.C D1#5.C D1#6.C D1#7.C D1#8.C D1#9.C D1#10.C F1.1 F1#2.1 F1#3.1 F1#4.1 F1#5.1 F1#6.1 F1#7.1 F1#8.1 F1#9.1 F1#10.1 H1.VIN H1#2.VIN H1#3.VIN H1#4.VIN H1#5.VIN H1#6.VIN H1#7.VIN H1#8.VIN H1#9.VIN H1#10.VIN J1.8 J1#2.8 J1#3.8 J1#4.8 J1#5.8 J1#6.8 J1#7.8 J1#8.8 J1#9.8 J1#10.8 JP2.1 JP2#2.1 JP2#3.1 JP2#4.1 JP2#5.1 JP2#6.1 JP2#7.1 JP2#8.1 JP2#9.1 JP2#10.1
/A0: H1.A0 H1#2.A0 H1#3.A0 H1#4.A0 H1#5.A0 H1#6.A0 H1#7.A0 H1#8.A0 H1#9.A0 H1#10.A0 J2.6 J2#2.6 J2#3.6 J2#4.6 J2#5.6 J2#6.6 J2#7.6 J2#8.6 J2#9.6 J2#10.6 U1.49 U1#2.49 U1#3.49 U1#4.49 U1#5.49 U1#6.49 U1#7.49 U1#8.49 U1#9.49 U1#10.49
/A1: H1.A1 H1#2.A1 H1#3.A1 H1#4.A1 H1#5.A1 H1#6.A1 H1#7.A1 H1#8.A1 H1#9.A1 H1#10.A1 J2.5 J2#2.5 J2#3.5 J2#4.5 J2#5.5 J2#6.5 J2#7.5 J2#8.5 J2#9.5 J2#10.5 U1.52 U1#2.52 U1#3.52 U1#4.52 U1#5.52 U1#6.52 U1#7.52 U1#8.52 U1#9.52 U1#10.52
